# Altium PCB Shuttler_AMC.PcbDoc (part 3 of 12) (continued)
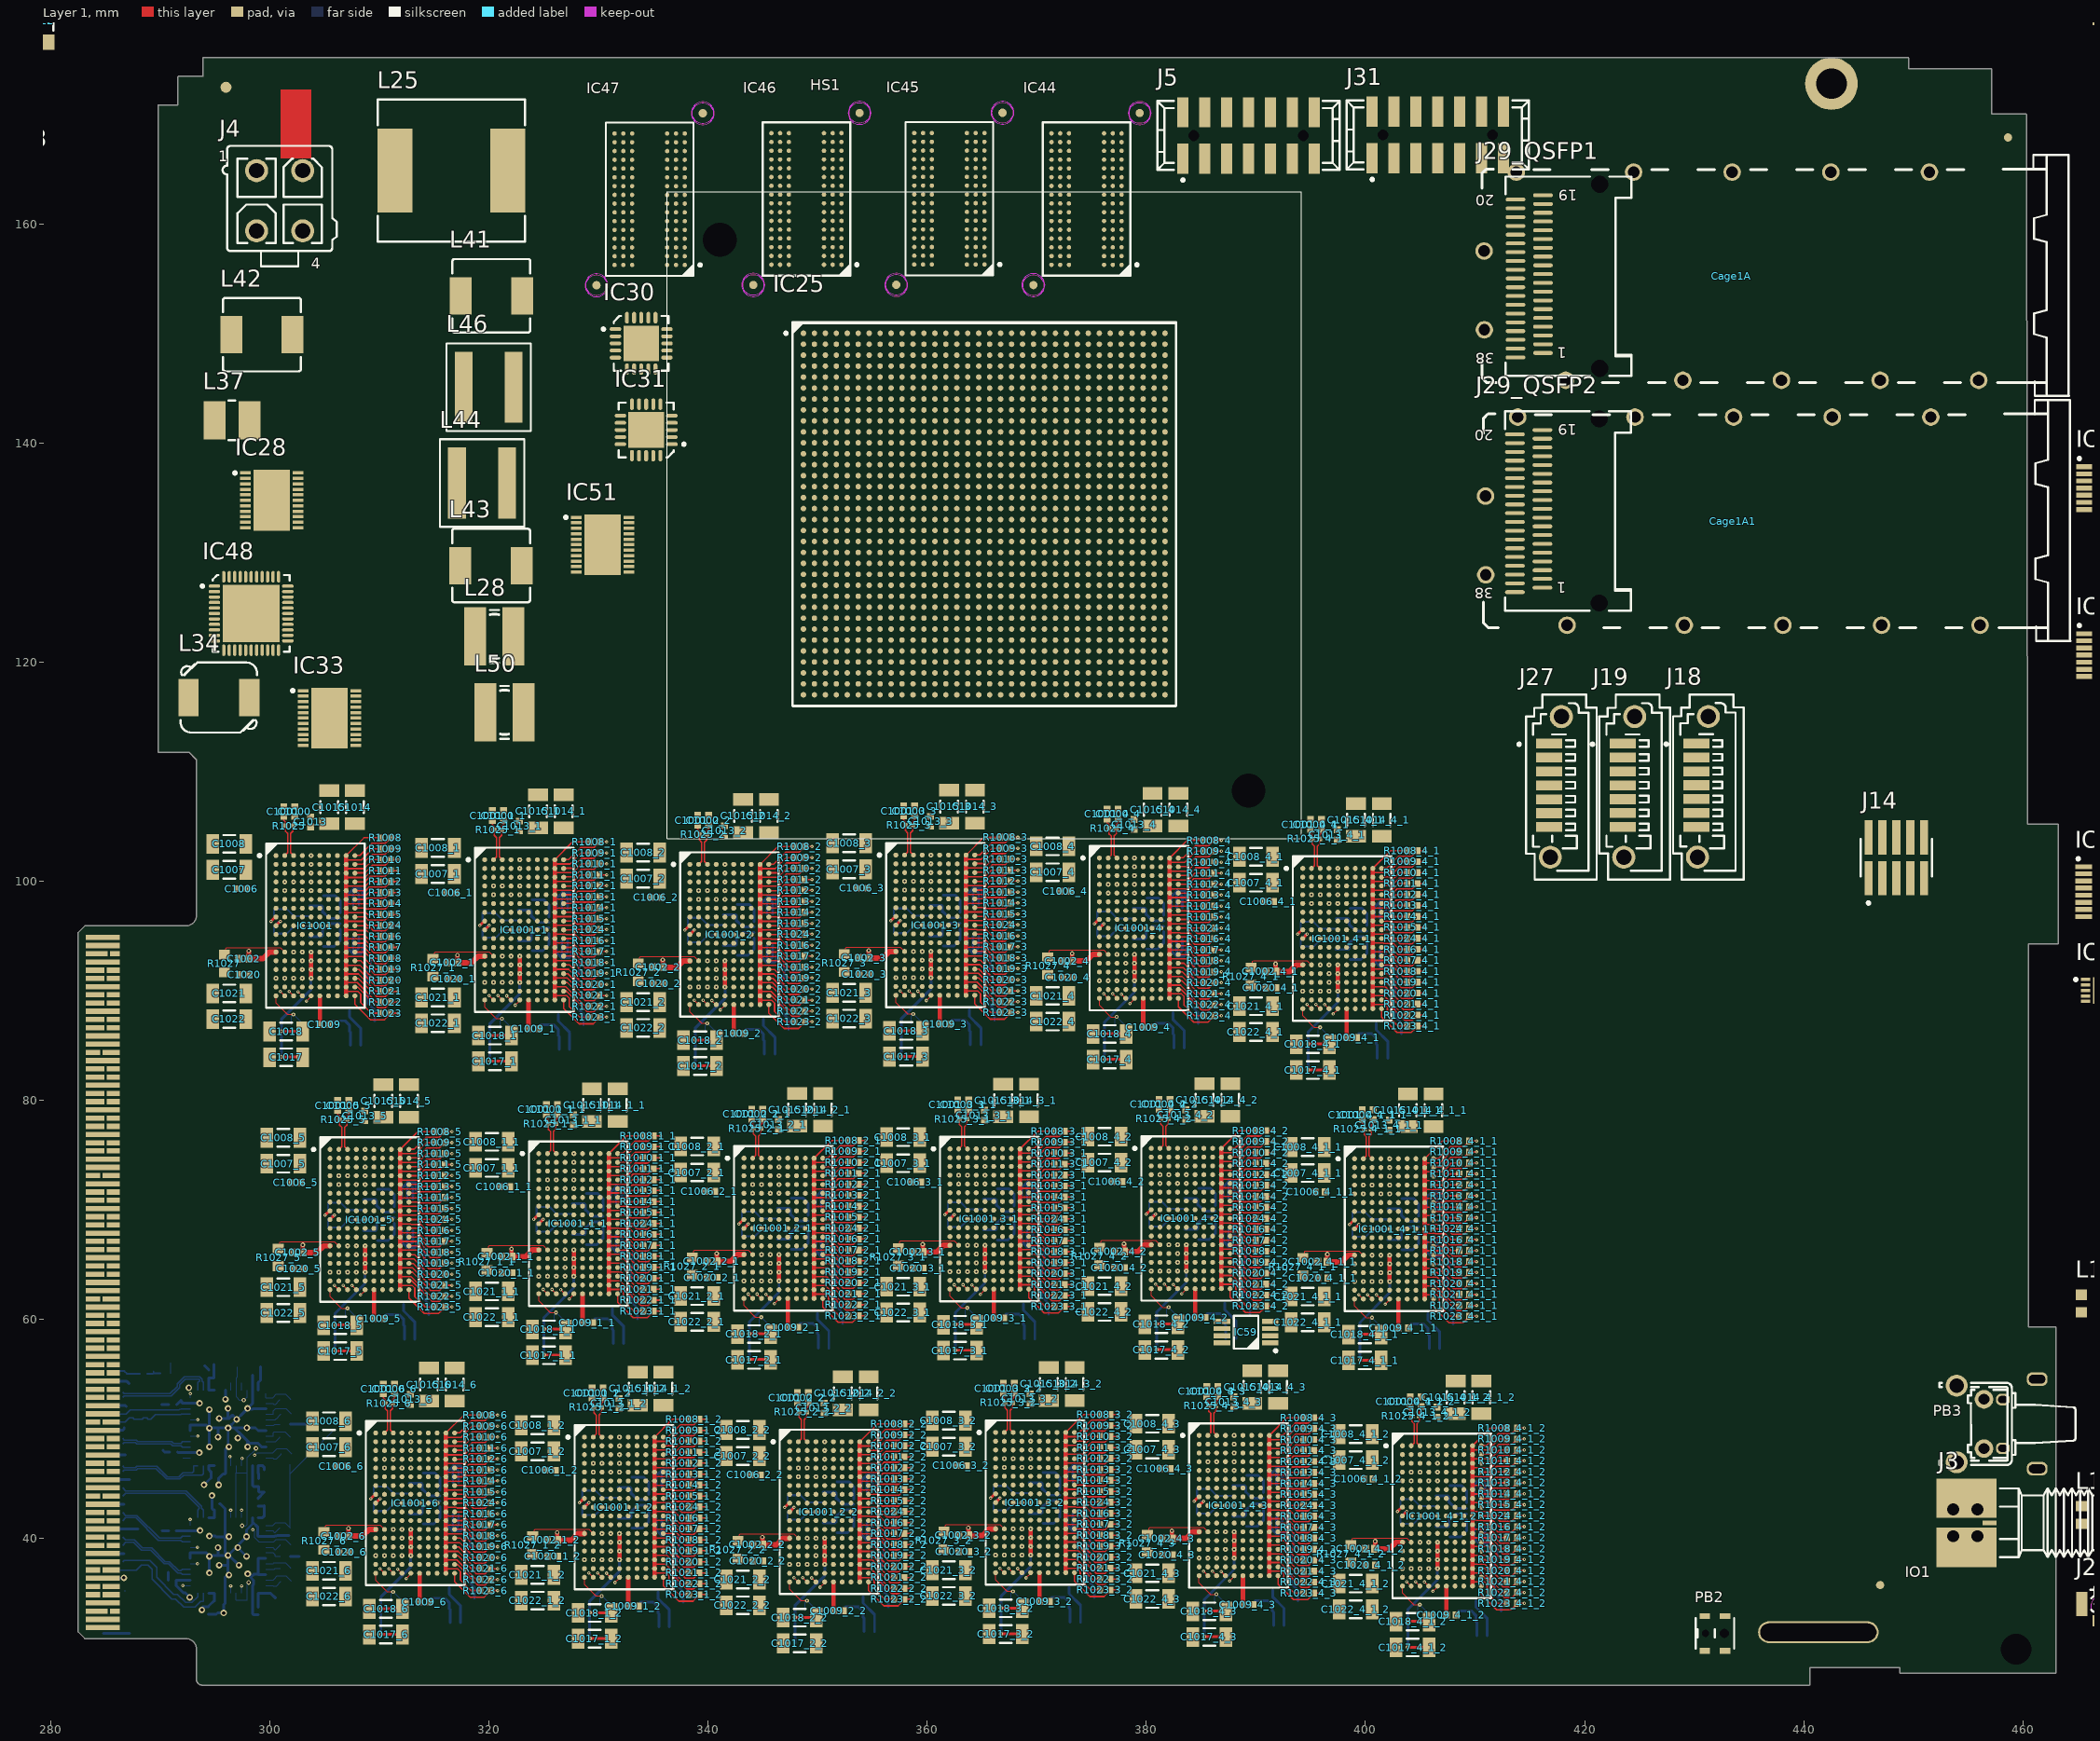
[diagram p0: Layer 1 view]
## Components (designator, comment, footprint, x,y, rotation, side; value= is the part's Value field where it differs from the comment) (continued)
L1001_4_3 "120R@100MHz" INDC1608X95N 392.65,40.447 r180 bottom (schematic designator L1001)
L1001_5 "120R@100MHz" INDC1608X95N 313.331,66.55 r180 bottom (schematic designator L1001)
L1001_6 "120R@100MHz" INDC1608X95N 317.5,40.672 r180 bottom (schematic designator L1001)
LD12 "Green" LED_AVAGO_HSME-C120 450.375,32.054 r270 bottom
PB2 "Push Button" SW_C&K_HDT0001 431.896,31.358 r180 top
PB3 "Push Button" PB_ALPS_SKHHLQA010 455.2,50.475 r180 top
Q1 "12MHz" XTAL_TXC_7M 579.563,162.077 r0 top
Q2 "114.285MHZ" XTAL_CONNOR_CS 531.749,33.782 r0 top
Q3 "8MHz" XTAL_TXC_7A 475.742,79.502 r0 top
Q4 "25MHz" XTAL_TXC_8Y 495.808,122.174 r0 top
R60 "Comment" RESC1005X40N#1 301.413,38.387 r180 bottom
R61 "Comment" RESC1005X40N#1 301.399,50.444 r180 bottom
R62 "Comment" RESC1005X40N#1 301.507,47.744 r180 bottom
R63 "Comment" RESC1005X40N#1 301.402,49.283 r180 bottom
R64 "Comment" RESC1005X40N#1 301.488,51.386 r180 bottom
R65 "Comment" RESC1005X40N#1 301.411,52.707 r180 bottom
R66 "Comment" RESC1005X40N#1 301.491,36.108 r180 bottom
R67 "Comment" RESC1005X40N#1 301.43,37.303 r180 bottom
R68 "Comment" RESC1005X40N#1 301.42,39.449 r180 bottom
R69 "Comment" RESC1005X40N#1 301.38,40.994 r180 bottom
R447 "Comment" RESC1005X40N#1 290.483,55.085 r180 bottom
R1000 "63R4" RESC1005X35N 303.625,97.297 r90 bottom
R1000_1 "63R4" RESC1005X35N 322.675,96.922 r90 bottom (schematic designator R1000)
R1000_1_1 "63R4" RESC1005X35N 327.606,70.1 r90 bottom (schematic designator R1000)
R1000_1_2 "63R4" RESC1005X35N 331.775,44.222 r90 bottom (schematic designator R1000)
R1000_2 "63R4" RESC1005X35N 341.4,96.497 r90 bottom (schematic designator R1000)
R1000_2_1 "63R4" RESC1005X35N 346.331,69.675 r90 bottom (schematic designator R1000)
R1000_2_2 "63R4" RESC1005X35N 350.5,43.797 r90 bottom (schematic designator R1000)
R1000_3 "63R4" RESC1005X35N 360.2,97.347 r90 bottom (schematic designator R1000)
R1000_3_1 "63R4" RESC1005X35N 365.131,70.525 r90 bottom (schematic designator R1000)
R1000_3_2 "63R4" RESC1005X35N 369.3,44.647 r90 bottom (schematic designator R1000)
R1000_4 "63R4" RESC1005X35N 378.775,97.072 r90 bottom (schematic designator R1000)
R1000_4_1 "63R4" RESC1005X35N 397.331,96.125 r90 bottom (schematic designator R1000)
R1000_4_1_1 "63R4" RESC1005X35N 402.062,69.625 r90 bottom (schematic designator R1000)
R1000_4_1_2 "63R4" RESC1005X35N 406.431,43.425 r90 bottom (schematic designator R1000)
R1000_4_2 "63R4" RESC1005X35N 383.506,70.572 r90 bottom (schematic designator R1000)
R1000_4_3 "63R4" RESC1005X35N 387.875,44.372 r90 bottom (schematic designator R1000)
R1000_5 "63R4" RESC1005X35N 308.556,70.475 r90 bottom (schematic designator R1000)
R1000_6 "63R4" RESC1005X35N 312.725,44.597 r90 bottom (schematic designator R1000)
R1001 "255" RESC1608X55N 304.9,97.897 r90 bottom
R1001_1 "255" RESC1608X55N 323.95,97.522 r90 bottom (schematic designator R1001)
R1001_1_1 "255" RESC1608X55N 328.881,70.7 r90 bottom (schematic designator R1001)
R1001_1_2 "255" RESC1608X55N 333.05,44.822 r90 bottom (schematic designator R1001)
R1001_2 "255" RESC1608X55N 342.675,97.097 r90 bottom (schematic designator R1001)
R1001_2_1 "255" RESC1608X55N 347.606,70.275 r90 bottom (schematic designator R1001)
R1001_2_2 "255" RESC1608X55N 351.775,44.397 r90 bottom (schematic designator R1001)
R1001_3 "255" RESC1608X55N 361.475,97.947 r90 bottom (schematic designator R1001)
R1001_3_1 "255" RESC1608X55N 366.406,71.125 r90 bottom (schematic designator R1001)
R1001_3_2 "255" RESC1608X55N 370.575,45.247 r90 bottom (schematic designator R1001)
R1001_4 "255" RESC1608X55N 380.05,97.672 r90 bottom (schematic designator R1001)
R1001_4_1 "255" RESC1608X55N 398.606,96.725 r90 bottom (schematic designator R1001)
R1001_4_1_1 "255" RESC1608X55N 403.337,70.225 r90 bottom (schematic designator R1001)
R1001_4_1_2 "255" RESC1608X55N 407.706,44.025 r90 bottom (schematic designator R1001)
R1001_4_2 "255" RESC1608X55N 384.781,71.172 r90 bottom (schematic designator R1001)
R1001_4_3 "255" RESC1608X55N 389.15,44.972 r90 bottom (schematic designator R1001)
R1001_5 "255" RESC1608X55N 309.831,71.075 r90 bottom (schematic designator R1001)
R1001_6 "255" RESC1608X55N 314,45.197 r90 bottom (schematic designator R1001)
R1002 "41R2" RESC1608X55N 299.575,97.472 r0 bottom
R1002_1 "41R2" RESC1608X55N 318.625,97.097 r0 bottom (schematic designator R1002)
R1002_1_1 "41R2" RESC1608X55N 323.556,70.275 r0 bottom (schematic designator R1002)
R1002_1_2 "41R2" RESC1608X55N 327.725,44.397 r0 bottom (schematic designator R1002)
R1002_2 "41R2" RESC1608X55N 337.35,96.672 r0 bottom (schematic designator R1002)
R1002_2_1 "41R2" RESC1608X55N 342.281,69.85 r0 bottom (schematic designator R1002)
R1002_2_2 "41R2" RESC1608X55N 346.45,43.972 r0 bottom (schematic designator R1002)
R1002_3 "41R2" RESC1608X55N 356.15,97.522 r0 bottom (schematic designator R1002)
R1002_3_1 "41R2" RESC1608X55N 361.081,70.7 r0 bottom (schematic designator R1002)
R1002_3_2 "41R2" RESC1608X55N 365.25,44.822 r0 bottom (schematic designator R1002)
R1002_4 "41R2" RESC1608X55N 374.725,97.247 r0 bottom (schematic designator R1002)
R1002_4_1 "41R2" RESC1608X55N 393.281,96.3 r0 bottom (schematic designator R1002)
R1002_4_1_1 "41R2" RESC1608X55N 398.012,69.8 r0 bottom (schematic designator R1002)
R1002_4_1_2 "41R2" RESC1608X55N 402.381,43.6 r0 bottom (schematic designator R1002)
R1002_4_2 "41R2" RESC1608X55N 379.456,70.747 r0 bottom (schematic designator R1002)
R1002_4_3 "41R2" RESC1608X55N 383.825,44.547 r0 bottom (schematic designator R1002)
R1002_5 "41R2" RESC1608X55N 304.506,70.65 r0 bottom (schematic designator R1002)
R1002_6 "41R2" RESC1608X55N 308.675,44.772 r0 bottom (schematic designator R1002)
R1003 "63R4" RESC1005X35N 303.625,95.422 r270 bottom
R1003_1 "63R4" RESC1005X35N 322.675,95.047 r270 bottom (schematic designator R1003)
R1003_1_1 "63R4" RESC1005X35N 327.606,68.225 r270 bottom (schematic designator R1003)
R1003_1_2 "63R4" RESC1005X35N 331.775,42.347 r270 bottom (schematic designator R1003)
R1003_2 "63R4" RESC1005X35N 341.4,94.622 r270 bottom (schematic designator R1003)
R1003_2_1 "63R4" RESC1005X35N 346.331,67.8 r270 bottom (schematic designator R1003)
R1003_2_2 "63R4" RESC1005X35N 350.5,41.922 r270 bottom (schematic designator R1003)
R1003_3 "63R4" RESC1005X35N 360.2,95.472 r270 bottom (schematic designator R1003)
R1003_3_1 "63R4" RESC1005X35N 365.131,68.65 r270 bottom (schematic designator R1003)
R1003_3_2 "63R4" RESC1005X35N 369.3,42.772 r270 bottom (schematic designator R1003)
R1003_4 "63R4" RESC1005X35N 378.775,95.197 r270 bottom (schematic designator R1003)
R1003_4_1 "63R4" RESC1005X35N 397.331,94.25 r270 bottom (schematic designator R1003)
R1003_4_1_1 "63R4" RESC1005X35N 402.062,67.75 r270 bottom (schematic designator R1003)
R1003_4_1_2 "63R4" RESC1005X35N 406.431,41.55 r270 bottom (schematic designator R1003)
R1003_4_2 "63R4" RESC1005X35N 383.506,68.697 r270 bottom (schematic designator R1003)
R1003_4_3 "63R4" RESC1005X35N 387.875,42.497 r270 bottom (schematic designator R1003)
R1003_5 "63R4" RESC1005X35N 308.556,68.6 r270 bottom (schematic designator R1003)
R1003_6 "63R4" RESC1005X35N 312.725,42.722 r270 bottom (schematic designator R1003)
R1004 "255" RESC1608X55N 304.9,94.847 r270 bottom
R1004_1 "255" RESC1608X55N 323.95,94.472 r270 bottom (schematic designator R1004)
R1004_1_1 "255" RESC1608X55N 328.881,67.65 r270 bottom (schematic designator R1004)
R1004_1_2 "255" RESC1608X55N 333.05,41.772 r270 bottom (schematic designator R1004)
R1004_2 "255" RESC1608X55N 342.675,94.047 r270 bottom (schematic designator R1004)
R1004_2_1 "255" RESC1608X55N 347.606,67.225 r270 bottom (schematic designator R1004)
R1004_2_2 "255" RESC1608X55N 351.775,41.347 r270 bottom (schematic designator R1004)
R1004_3 "255" RESC1608X55N 361.475,94.897 r270 bottom (schematic designator R1004)
R1004_3_1 "255" RESC1608X55N 366.406,68.075 r270 bottom (schematic designator R1004)
R1004_3_2 "255" RESC1608X55N 370.575,42.197 r270 bottom (schematic designator R1004)
R1004_4 "255" RESC1608X55N 380.05,94.622 r270 bottom (schematic designator R1004)
R1004_4_1 "255" RESC1608X55N 398.606,93.675 r270 bottom (schematic designator R1004)
R1004_4_1_1 "255" RESC1608X55N 403.337,67.175 r270 bottom (schematic designator R1004)
R1004_4_1_2 "255" RESC1608X55N 407.706,40.975 r270 bottom (schematic designator R1004)
R1004_4_2 "255" RESC1608X55N 384.781,68.122 r270 bottom (schematic designator R1004)
R1004_4_3 "255" RESC1608X55N 389.15,41.922 r270 bottom (schematic designator R1004)
R1004_5 "255" RESC1608X55N 309.831,68.025 r270 bottom (schematic designator R1004)
R1004_6 "255" RESC1608X55N 314,42.147 r270 bottom (schematic designator R1004)
R1005 "41R2" RESC1608X55N 299.575,95.222 r0 bottom
R1005_1 "41R2" RESC1608X55N 318.625,94.847 r0 bottom (schematic designator R1005)
R1005_1_1 "41R2" RESC1608X55N 323.556,68.025 r0 bottom (schematic designator R1005)
R1005_1_2 "41R2" RESC1608X55N 327.725,42.147 r0 bottom (schematic designator R1005)
R1005_2 "41R2" RESC1608X55N 337.35,94.422 r0 bottom (schematic designator R1005)
R1005_2_1 "41R2" RESC1608X55N 342.281,67.6 r0 bottom (schematic designator R1005)
R1005_2_2 "41R2" RESC1608X55N 346.45,41.722 r0 bottom (schematic designator R1005)
R1005_3 "41R2" RESC1608X55N 356.15,95.272 r0 bottom (schematic designator R1005)
R1005_3_1 "41R2" RESC1608X55N 361.081,68.45 r0 bottom (schematic designator R1005)
R1005_3_2 "41R2" RESC1608X55N 365.25,42.572 r0 bottom (schematic designator R1005)
R1005_4 "41R2" RESC1608X55N 374.725,94.997 r0 bottom (schematic designator R1005)
R1005_4_1 "41R2" RESC1608X55N 393.281,94.05 r0 bottom (schematic designator R1005)
R1005_4_1_1 "41R2" RESC1608X55N 398.012,67.55 r0 bottom (schematic designator R1005)
R1005_4_1_2 "41R2" RESC1608X55N 402.381,41.35 r0 bottom (schematic designator R1005)
R1005_4_2 "41R2" RESC1608X55N 379.456,68.497 r0 bottom (schematic designator R1005)
R1005_4_3 "41R2" RESC1608X55N 383.825,42.297 r0 bottom (schematic designator R1005)
R1005_5 "41R2" RESC1608X55N 304.506,68.4 r0 bottom (schematic designator R1005)
R1005_6 "41R2" RESC1608X55N 308.675,42.522 r0 bottom (schematic designator R1005)
R1006 "10k" RESC1005X40N#2 307.85,85.022 r180 bottom
R1006_1 "10k" RESC1005X40N#2 326.9,84.647 r180 bottom (schematic designator R1006)
R1006_1_1 "10k" RESC1005X40N#2 331.831,57.825 r180 bottom (schematic designator R1006)
R1006_1_2 "10k" RESC1005X40N#2 336,31.947 r180 bottom (schematic designator R1006)
R1006_2 "10k" RESC1005X40N#2 345.625,84.222 r180 bottom (schematic designator R1006)
R1006_2_1 "10k" RESC1005X40N#2 350.556,57.4 r180 bottom (schematic designator R1006)
R1006_2_2 "10k" RESC1005X40N#2 354.725,31.522 r180 bottom (schematic designator R1006)
R1006_3 "10k" RESC1005X40N#2 364.425,85.072 r180 bottom (schematic designator R1006)
R1006_3_1 "10k" RESC1005X40N#2 369.356,58.25 r180 bottom (schematic designator R1006)
R1006_3_2 "10k" RESC1005X40N#2 373.525,32.372 r180 bottom (schematic designator R1006)
R1006_4 "10k" RESC1005X40N#2 383,84.797 r180 bottom (schematic designator R1006)
R1006_4_1 "10k" RESC1005X40N#2 401.556,83.85 r180 bottom (schematic designator R1006)
R1006_4_1_1 "10k" RESC1005X40N#2 406.287,57.35 r180 bottom (schematic designator R1006)
R1006_4_1_2 "10k" RESC1005X40N#2 410.656,31.15 r180 bottom (schematic designator R1006)
R1006_4_2 "10k" RESC1005X40N#2 387.731,58.297 r180 bottom (schematic designator R1006)
R1006_4_3 "10k" RESC1005X40N#2 392.1,32.097 r180 bottom (schematic designator R1006)
R1006_5 "10k" RESC1005X40N#2 312.781,58.2 r180 bottom (schematic designator R1006)
R1006_6 "10k" RESC1005X40N#2 316.95,32.322 r180 bottom (schematic designator R1006)
R1007 "10k" RESC1005X40N#2 308.98,90.222 r90 bottom
R1007_1 "10k" RESC1005X40N#2 328.03,89.847 r90 bottom (schematic designator R1007)
R1007_1_1 "10k" RESC1005X40N#2 332.961,63.025 r90 bottom (schematic designator R1007)
R1007_1_2 "10k" RESC1005X40N#2 337.13,37.147 r90 bottom (schematic designator R1007)
R1007_2 "10k" RESC1005X40N#2 346.755,89.422 r90 bottom (schematic designator R1007)
R1007_2_1 "10k" RESC1005X40N#2 351.686,62.6 r90 bottom (schematic designator R1007)
R1007_2_2 "10k" RESC1005X40N#2 355.855,36.722 r90 bottom (schematic designator R1007)
R1007_3 "10k" RESC1005X40N#2 365.555,90.272 r90 bottom (schematic designator R1007)
R1007_3_1 "10k" RESC1005X40N#2 370.486,63.45 r90 bottom (schematic designator R1007)
R1007_3_2 "10k" RESC1005X40N#2 374.655,37.572 r90 bottom (schematic designator R1007)
R1007_4 "10k" RESC1005X40N#2 384.13,89.997 r90 bottom (schematic designator R1007)
R1007_4_1 "10k" RESC1005X40N#2 402.686,89.05 r90 bottom (schematic designator R1007)
R1007_4_1_1 "10k" RESC1005X40N#2 407.417,62.55 r90 bottom (schematic designator R1007)
R1007_4_1_2 "10k" RESC1005X40N#2 411.786,36.35 r90 bottom (schematic designator R1007)
R1007_4_2 "10k" RESC1005X40N#2 388.861,63.497 r90 bottom (schematic designator R1007)
R1007_4_3 "10k" RESC1005X40N#2 393.23,37.297 r90 bottom (schematic designator R1007)
R1007_5 "10k" RESC1005X40N#2 313.911,63.4 r90 bottom (schematic designator R1007)
R1007_6 "10k" RESC1005X40N#2 318.08,37.522 r90 bottom (schematic designator R1007)
R1008 "80R6" RESC1005X40N#2 310.575,103.972 r180 top
R1008_1 "80R6" RESC1005X40N#2 329.625,103.597 r180 top (schematic designator R1008)
R1008_1_1 "80R6" RESC1005X40N#2 334.556,76.775 r180 top (schematic designator R1008)
R1008_1_2 "80R6" RESC1005X40N#2 338.725,50.897 r180 top (schematic designator R1008)
R1008_2 "80R6" RESC1005X40N#2 348.35,103.172 r180 top (schematic designator R1008)
R1008_2_1 "80R6" RESC1005X40N#2 353.281,76.35 r180 top (schematic designator R1008)
R1008_2_2 "80R6" RESC1005X40N#2 357.45,50.472 r180 top (schematic designator R1008)
R1008_3 "80R6" RESC1005X40N#2 367.15,104.022 r180 top (schematic designator R1008)
R1008_3_1 "80R6" RESC1005X40N#2 372.081,77.2 r180 top (schematic designator R1008)
R1008_3_2 "80R6" RESC1005X40N#2 376.25,51.322 r180 top (schematic designator R1008)
R1008_4 "80R6" RESC1005X40N#2 385.725,103.747 r180 top (schematic designator R1008)
R1008_4_1 "80R6" RESC1005X40N#2 404.281,102.8 r180 top (schematic designator R1008)
R1008_4_1_1 "80R6" RESC1005X40N#2 409.012,76.3 r180 top (schematic designator R1008)
R1008_4_1_2 "80R6" RESC1005X40N#2 413.381,50.1 r180 top (schematic designator R1008)
R1008_4_2 "80R6" RESC1005X40N#2 390.456,77.247 r180 top (schematic designator R1008)
R1008_4_3 "80R6" RESC1005X40N#2 394.825,51.047 r180 top (schematic designator R1008)
R1008_5 "80R6" RESC1005X40N#2 315.506,77.15 r180 top (schematic designator R1008)
R1008_6 "80R6" RESC1005X40N#2 319.675,51.272 r180 top (schematic designator R1008)
R1009 "80R6" RESC1005X40N#2 310.575,102.972 r180 top
R1009_1 "80R6" RESC1005X40N#2 329.625,102.597 r180 top (schematic designator R1009)
R1009_1_1 "80R6" RESC1005X40N#2 334.556,75.775 r180 top (schematic designator R1009)
R1009_1_2 "80R6" RESC1005X40N#2 338.725,49.897 r180 top (schematic designator R1009)
R1009_2 "80R6" RESC1005X40N#2 348.35,102.172 r180 top (schematic designator R1009)
R1009_2_1 "80R6" RESC1005X40N#2 353.281,75.35 r180 top (schematic designator R1009)
R1009_2_2 "80R6" RESC1005X40N#2 357.45,49.472 r180 top (schematic designator R1009)
R1009_3 "80R6" RESC1005X40N#2 367.15,103.022 r180 top (schematic designator R1009)
R1009_3_1 "80R6" RESC1005X40N#2 372.081,76.2 r180 top (schematic designator R1009)
R1009_3_2 "80R6" RESC1005X40N#2 376.25,50.322 r180 top (schematic designator R1009)
R1009_4 "80R6" RESC1005X40N#2 385.725,102.747 r180 top (schematic designator R1009)
R1009_4_1 "80R6" RESC1005X40N#2 404.281,101.8 r180 top (schematic designator R1009)
R1009_4_1_1 "80R6" RESC1005X40N#2 409.012,75.3 r180 top (schematic designator R1009)
R1009_4_1_2 "80R6" RESC1005X40N#2 413.381,49.1 r180 top (schematic designator R1009)
R1009_4_2 "80R6" RESC1005X40N#2 390.456,76.247 r180 top (schematic designator R1009)
R1009_4_3 "80R6" RESC1005X40N#2 394.825,50.047 r180 top (schematic designator R1009)
R1009_5 "80R6" RESC1005X40N#2 315.506,76.15 r180 top (schematic designator R1009)
R1009_6 "80R6" RESC1005X40N#2 319.675,50.272 r180 top (schematic designator R1009)
R1010 "80R6" RESC1005X40N#2 310.575,101.972 r180 top
R1010_1 "80R6" RESC1005X40N#2 329.625,101.597 r180 top (schematic designator R1010)
R1010_1_1 "80R6" RESC1005X40N#2 334.556,74.775 r180 top (schematic designator R1010)
R1010_1_2 "80R6" RESC1005X40N#2 338.725,48.897 r180 top (schematic designator R1010)
R1010_2 "80R6" RESC1005X40N#2 348.35,101.172 r180 top (schematic designator R1010)
R1010_2_1 "80R6" RESC1005X40N#2 353.281,74.35 r180 top (schematic designator R1010)
R1010_2_2 "80R6" RESC1005X40N#2 357.45,48.472 r180 top (schematic designator R1010)
R1010_3 "80R6" RESC1005X40N#2 367.15,102.022 r180 top (schematic designator R1010)
R1010_3_1 "80R6" RESC1005X40N#2 372.081,75.2 r180 top (schematic designator R1010)
R1010_3_2 "80R6" RESC1005X40N#2 376.25,49.322 r180 top (schematic designator R1010)
R1010_4 "80R6" RESC1005X40N#2 385.725,101.747 r180 top (schematic designator R1010)
R1010_4_1 "80R6" RESC1005X40N#2 404.281,100.8 r180 top (schematic designator R1010)
R1010_4_1_1 "80R6" RESC1005X40N#2 409.012,74.3 r180 top (schematic designator R1010)
R1010_4_1_2 "80R6" RESC1005X40N#2 413.381,48.1 r180 top (schematic designator R1010)
R1010_4_2 "80R6" RESC1005X40N#2 390.456,75.247 r180 top (schematic designator R1010)
R1010_4_3 "80R6" RESC1005X40N#2 394.825,49.047 r180 top (schematic designator R1010)
R1010_5 "80R6" RESC1005X40N#2 315.506,75.15 r180 top (schematic designator R1010)
R1010_6 "80R6" RESC1005X40N#2 319.675,49.272 r180 top (schematic designator R1010)
R1011 "80R6" RESC1005X40N#2 310.575,100.972 r180 top
R1011_1 "80R6" RESC1005X40N#2 329.625,100.597 r180 top (schematic designator R1011)
R1011_1_1 "80R6" RESC1005X40N#2 334.556,73.775 r180 top (schematic designator R1011)
R1011_1_2 "80R6" RESC1005X40N#2 338.725,47.897 r180 top (schematic designator R1011)
R1011_2 "80R6" RESC1005X40N#2 348.35,100.172 r180 top (schematic designator R1011)
R1011_2_1 "80R6" RESC1005X40N#2 353.281,73.35 r180 top (schematic designator R1011)
R1011_2_2 "80R6" RESC1005X40N#2 357.45,47.472 r180 top (schematic designator R1011)
R1011_3 "80R6" RESC1005X40N#2 367.15,101.022 r180 top (schematic designator R1011)
R1011_3_1 "80R6" RESC1005X40N#2 372.081,74.2 r180 top (schematic designator R1011)
R1011_3_2 "80R6" RESC1005X40N#2 376.25,48.322 r180 top (schematic designator R1011)
R1011_4 "80R6" RESC1005X40N#2 385.725,100.747 r180 top (schematic designator R1011)
R1011_4_1 "80R6" RESC1005X40N#2 404.281,99.8 r180 top (schematic designator R1011)
R1011_4_1_1 "80R6" RESC1005X40N#2 409.012,73.3 r180 top (schematic designator R1011)
R1011_4_1_2 "80R6" RESC1005X40N#2 413.381,47.1 r180 top (schematic designator R1011)
R1011_4_2 "80R6" RESC1005X40N#2 390.456,74.247 r180 top (schematic designator R1011)
R1011_4_3 "80R6" RESC1005X40N#2 394.825,48.047 r180 top (schematic designator R1011)
R1011_5 "80R6" RESC1005X40N#2 315.506,74.15 r180 top (schematic designator R1011)
R1011_6 "80R6" RESC1005X40N#2 319.675,48.272 r180 top (schematic designator R1011)
R1012 "80R6" RESC1005X40N#2 310.575,99.972 r180 top
R1012_1 "80R6" RESC1005X40N#2 329.625,99.597 r180 top (schematic designator R1012)
R1012_1_1 "80R6" RESC1005X40N#2 334.556,72.775 r180 top (schematic designator R1012)
R1012_1_2 "80R6" RESC1005X40N#2 338.725,46.897 r180 top (schematic designator R1012)
R1012_2 "80R6" RESC1005X40N#2 348.35,99.172 r180 top (schematic designator R1012)
R1012_2_1 "80R6" RESC1005X40N#2 353.281,72.35 r180 top (schematic designator R1012)
R1012_2_2 "80R6" RESC1005X40N#2 357.45,46.472 r180 top (schematic designator R1012)
R1012_3 "80R6" RESC1005X40N#2 367.15,100.022 r180 top (schematic designator R1012)
R1012_3_1 "80R6" RESC1005X40N#2 372.081,73.2 r180 top (schematic designator R1012)
R1012_3_2 "80R6" RESC1005X40N#2 376.25,47.322 r180 top (schematic designator R1012)
R1012_4 "80R6" RESC1005X40N#2 385.725,99.747 r180 top (schematic designator R1012)
R1012_4_1 "80R6" RESC1005X40N#2 404.281,98.8 r180 top (schematic designator R1012)
R1012_4_1_1 "80R6" RESC1005X40N#2 409.012,72.3 r180 top (schematic designator R1012)
R1012_4_1_2 "80R6" RESC1005X40N#2 413.381,46.1 r180 top (schematic designator R1012)
R1012_4_2 "80R6" RESC1005X40N#2 390.456,73.247 r180 top (schematic designator R1012)
R1012_4_3 "80R6" RESC1005X40N#2 394.825,47.047 r180 top (schematic designator R1012)
R1012_5 "80R6" RESC1005X40N#2 315.506,73.15 r180 top (schematic designator R1012)
R1012_6 "80R6" RESC1005X40N#2 319.675,47.272 r180 top (schematic designator R1012)
R1013 "80R6" RESC1005X40N#2 310.575,98.972 r180 top
R1013_1 "80R6" RESC1005X40N#2 329.625,98.597 r180 top (schematic designator R1013)
R1013_1_1 "80R6" RESC1005X40N#2 334.556,71.775 r180 top (schematic designator R1013)
R1013_1_2 "80R6" RESC1005X40N#2 338.725,45.897 r180 top (schematic designator R1013)
R1013_2 "80R6" RESC1005X40N#2 348.35,98.172 r180 top (schematic designator R1013)
R1013_2_1 "80R6" RESC1005X40N#2 353.281,71.35 r180 top (schematic designator R1013)
R1013_2_2 "80R6" RESC1005X40N#2 357.45,45.472 r180 top (schematic designator R1013)
R1013_3 "80R6" RESC1005X40N#2 367.15,99.022 r180 top (schematic designator R1013)
R1013_3_1 "80R6" RESC1005X40N#2 372.081,72.2 r180 top (schematic designator R1013)
R1013_3_2 "80R6" RESC1005X40N#2 376.25,46.322 r180 top (schematic designator R1013)
R1013_4 "80R6" RESC1005X40N#2 385.725,98.747 r180 top (schematic designator R1013)
R1013_4_1 "80R6" RESC1005X40N#2 404.281,97.8 r180 top (schematic designator R1013)
R1013_4_1_1 "80R6" RESC1005X40N#2 409.012,71.3 r180 top (schematic designator R1013)
R1013_4_1_2 "80R6" RESC1005X40N#2 413.381,45.1 r180 top (schematic designator R1013)
R1013_4_2 "80R6" RESC1005X40N#2 390.456,72.247 r180 top (schematic designator R1013)
R1013_4_3 "80R6" RESC1005X40N#2 394.825,46.047 r180 top (schematic designator R1013)
R1013_5 "80R6" RESC1005X40N#2 315.506,72.15 r180 top (schematic designator R1013)
R1013_6 "80R6" RESC1005X40N#2 319.675,46.272 r180 top (schematic designator R1013)
R1014 "80R6" RESC1005X40N#2 310.575,97.972 r180 top
R1014_1 "80R6" RESC1005X40N#2 329.625,97.597 r180 top (schematic designator R1014)
R1014_1_1 "80R6" RESC1005X40N#2 334.556,70.775 r180 top (schematic designator R1014)
R1014_1_2 "80R6" RESC1005X40N#2 338.725,44.897 r180 top (schematic designator R1014)
R1014_2 "80R6" RESC1005X40N#2 348.35,97.172 r180 top (schematic designator R1014)
R1014_2_1 "80R6" RESC1005X40N#2 353.281,70.35 r180 top (schematic designator R1014)
R1014_2_2 "80R6" RESC1005X40N#2 357.45,44.472 r180 top (schematic designator R1014)
R1014_3 "80R6" RESC1005X40N#2 367.15,98.022 r180 top (schematic designator R1014)
R1014_3_1 "80R6" RESC1005X40N#2 372.081,71.2 r180 top (schematic designator R1014)
R1014_3_2 "80R6" RESC1005X40N#2 376.25,45.322 r180 top (schematic designator R1014)
R1014_4 "80R6" RESC1005X40N#2 385.725,97.747 r180 top (schematic designator R1014)
R1014_4_1 "80R6" RESC1005X40N#2 404.281,96.8 r180 top (schematic designator R1014)
R1014_4_1_1 "80R6" RESC1005X40N#2 409.012,70.3 r180 top (schematic designator R1014)
R1014_4_1_2 "80R6" RESC1005X40N#2 413.381,44.1 r180 top (schematic designator R1014)
R1014_4_2 "80R6" RESC1005X40N#2 390.456,71.247 r180 top (schematic designator R1014)
R1014_4_3 "80R6" RESC1005X40N#2 394.825,45.047 r180 top (schematic designator R1014)
R1014_5 "80R6" RESC1005X40N#2 315.506,71.15 r180 top (schematic designator R1014)
R1014_6 "80R6" RESC1005X40N#2 319.675,45.272 r180 top (schematic designator R1014)
R1015 "80R6" RESC1005X40N#2 310.575,96.972 r180 top
R1015_1 "80R6" RESC1005X40N#2 329.625,96.597 r180 top (schematic designator R1015)
R1015_1_1 "80R6" RESC1005X40N#2 334.556,69.775 r180 top (schematic designator R1015)
R1015_1_2 "80R6" RESC1005X40N#2 338.725,43.897 r180 top (schematic designator R1015)
R1015_2 "80R6" RESC1005X40N#2 348.35,96.172 r180 top (schematic designator R1015)
R1015_2_1 "80R6" RESC1005X40N#2 353.281,69.35 r180 top (schematic designator R1015)
R1015_2_2 "80R6" RESC1005X40N#2 357.45,43.472 r180 top (schematic designator R1015)
R1015_3 "80R6" RESC1005X40N#2 367.15,97.022 r180 top (schematic designator R1015)
R1015_3_1 "80R6" RESC1005X40N#2 372.081,70.2 r180 top (schematic designator R1015)
R1015_3_2 "80R6" RESC1005X40N#2 376.25,44.322 r180 top (schematic designator R1015)
R1015_4 "80R6" RESC1005X40N#2 385.725,96.747 r180 top (schematic designator R1015)
R1015_4_1 "80R6" RESC1005X40N#2 404.281,95.8 r180 top (schematic designator R1015)
R1015_4_1_1 "80R6" RESC1005X40N#2 409.012,69.3 r180 top (schematic designator R1015)
R1015_4_1_2 "80R6" RESC1005X40N#2 413.381,43.1 r180 top (schematic designator R1015)
R1015_4_2 "80R6" RESC1005X40N#2 390.456,70.247 r180 top (schematic designator R1015)
R1015_4_3 "80R6" RESC1005X40N#2 394.825,44.047 r180 top (schematic designator R1015)
R1015_5 "80R6" RESC1005X40N#2 315.506,70.15 r180 top (schematic designator R1015)
R1015_6 "80R6" RESC1005X40N#2 319.675,44.272 r180 top (schematic designator R1015)
R1016 "80R6" RESC1005X40N#2 310.575,94.972 r180 top
R1016_1 "80R6" RESC1005X40N#2 329.625,94.597 r180 top (schematic designator R1016)
R1016_1_1 "80R6" RESC1005X40N#2 334.556,67.775 r180 top (schematic designator R1016)
R1016_1_2 "80R6" RESC1005X40N#2 338.725,41.897 r180 top (schematic designator R1016)
R1016_2 "80R6" RESC1005X40N#2 348.35,94.172 r180 top (schematic designator R1016)
R1016_2_1 "80R6" RESC1005X40N#2 353.281,67.35 r180 top (schematic designator R1016)
R1016_2_2 "80R6" RESC1005X40N#2 357.45,41.472 r180 top (schematic designator R1016)
R1016_3 "80R6" RESC1005X40N#2 367.15,95.022 r180 top (schematic designator R1016)
R1016_3_1 "80R6" RESC1005X40N#2 372.081,68.2 r180 top (schematic designator R1016)
R1016_3_2 "80R6" RESC1005X40N#2 376.25,42.322 r180 top (schematic designator R1016)
R1016_4 "80R6" RESC1005X40N#2 385.725,94.747 r180 top (schematic designator R1016)
R1016_4_1 "80R6" RESC1005X40N#2 404.281,93.8 r180 top (schematic designator R1016)
R1016_4_1_1 "80R6" RESC1005X40N#2 409.012,67.3 r180 top (schematic designator R1016)
R1016_4_1_2 "80R6" RESC1005X40N#2 413.381,41.1 r180 top (schematic designator R1016)
R1016_4_2 "80R6" RESC1005X40N#2 390.456,68.247 r180 top (schematic designator R1016)
R1016_4_3 "80R6" RESC1005X40N#2 394.825,42.047 r180 top (schematic designator R1016)
R1016_5 "80R6" RESC1005X40N#2 315.506,68.15 r180 top (schematic designator R1016)
R1016_6 "80R6" RESC1005X40N#2 319.675,42.272 r180 top (schematic designator R1016)
R1017 "80R6" RESC1005X40N#2 310.575,93.972 r180 top
R1017_1 "80R6" RESC1005X40N#2 329.625,93.597 r180 top (schematic designator R1017)
R1017_1_1 "80R6" RESC1005X40N#2 334.556,66.775 r180 top (schematic designator R1017)
R1017_1_2 "80R6" RESC1005X40N#2 338.725,40.897 r180 top (schematic designator R1017)
R1017_2 "80R6" RESC1005X40N#2 348.35,93.172 r180 top (schematic designator R1017)
R1017_2_1 "80R6" RESC1005X40N#2 353.281,66.35 r180 top (schematic designator R1017)
R1017_2_2 "80R6" RESC1005X40N#2 357.45,40.472 r180 top (schematic designator R1017)
R1017_3 "80R6" RESC1005X40N#2 367.15,94.022 r180 top (schematic designator R1017)
R1017_3_1 "80R6" RESC1005X40N#2 372.081,67.2 r180 top (schematic designator R1017)
R1017_3_2 "80R6" RESC1005X40N#2 376.25,41.322 r180 top (schematic designator R1017)
R1017_4 "80R6" RESC1005X40N#2 385.725,93.747 r180 top (schematic designator R1017)
R1017_4_1 "80R6" RESC1005X40N#2 404.281,92.8 r180 top (schematic designator R1017)
R1017_4_1_1 "80R6" RESC1005X40N#2 409.012,66.3 r180 top (schematic designator R1017)
R1017_4_1_2 "80R6" RESC1005X40N#2 413.381,40.1 r180 top (schematic designator R1017)
R1017_4_2 "80R6" RESC1005X40N#2 390.456,67.247 r180 top (schematic designator R1017)
R1017_4_3 "80R6" RESC1005X40N#2 394.825,41.047 r180 top (schematic designator R1017)
R1017_5 "80R6" RESC1005X40N#2 315.506,67.15 r180 top (schematic designator R1017)
R1017_6 "80R6" RESC1005X40N#2 319.675,41.272 r180 top (schematic designator R1017)
R1018 "80R6" RESC1005X40N#2 310.575,92.972 r180 top
R1018_1 "80R6" RESC1005X40N#2 329.625,92.597 r180 top (schematic designator R1018)
R1018_1_1 "80R6" RESC1005X40N#2 334.556,65.775 r180 top (schematic designator R1018)
R1018_1_2 "80R6" RESC1005X40N#2 338.725,39.897 r180 top (schematic designator R1018)
R1018_2 "80R6" RESC1005X40N#2 348.35,92.172 r180 top (schematic designator R1018)
R1018_2_1 "80R6" RESC1005X40N#2 353.281,65.35 r180 top (schematic designator R1018)
R1018_2_2 "80R6" RESC1005X40N#2 357.45,39.472 r180 top (schematic designator R1018)
R1018_3 "80R6" RESC1005X40N#2 367.15,93.022 r180 top (schematic designator R1018)
R1018_3_1 "80R6" RESC1005X40N#2 372.081,66.2 r180 top (schematic designator R1018)
R1018_3_2 "80R6" RESC1005X40N#2 376.25,40.322 r180 top (schematic designator R1018)